# Altium PCB PCB2.PcbDoc
Units mm, origin at the board's own origin, x right, y up, seen from the top; angles counter-clockwise.
Board outline 160 x 120 mm, 2 copper layers (Top Layer, Bottom Layer); 122 components, 109 nets, 534 pads, 423 vias.
Unrouted connection lines stored in the file: 4.
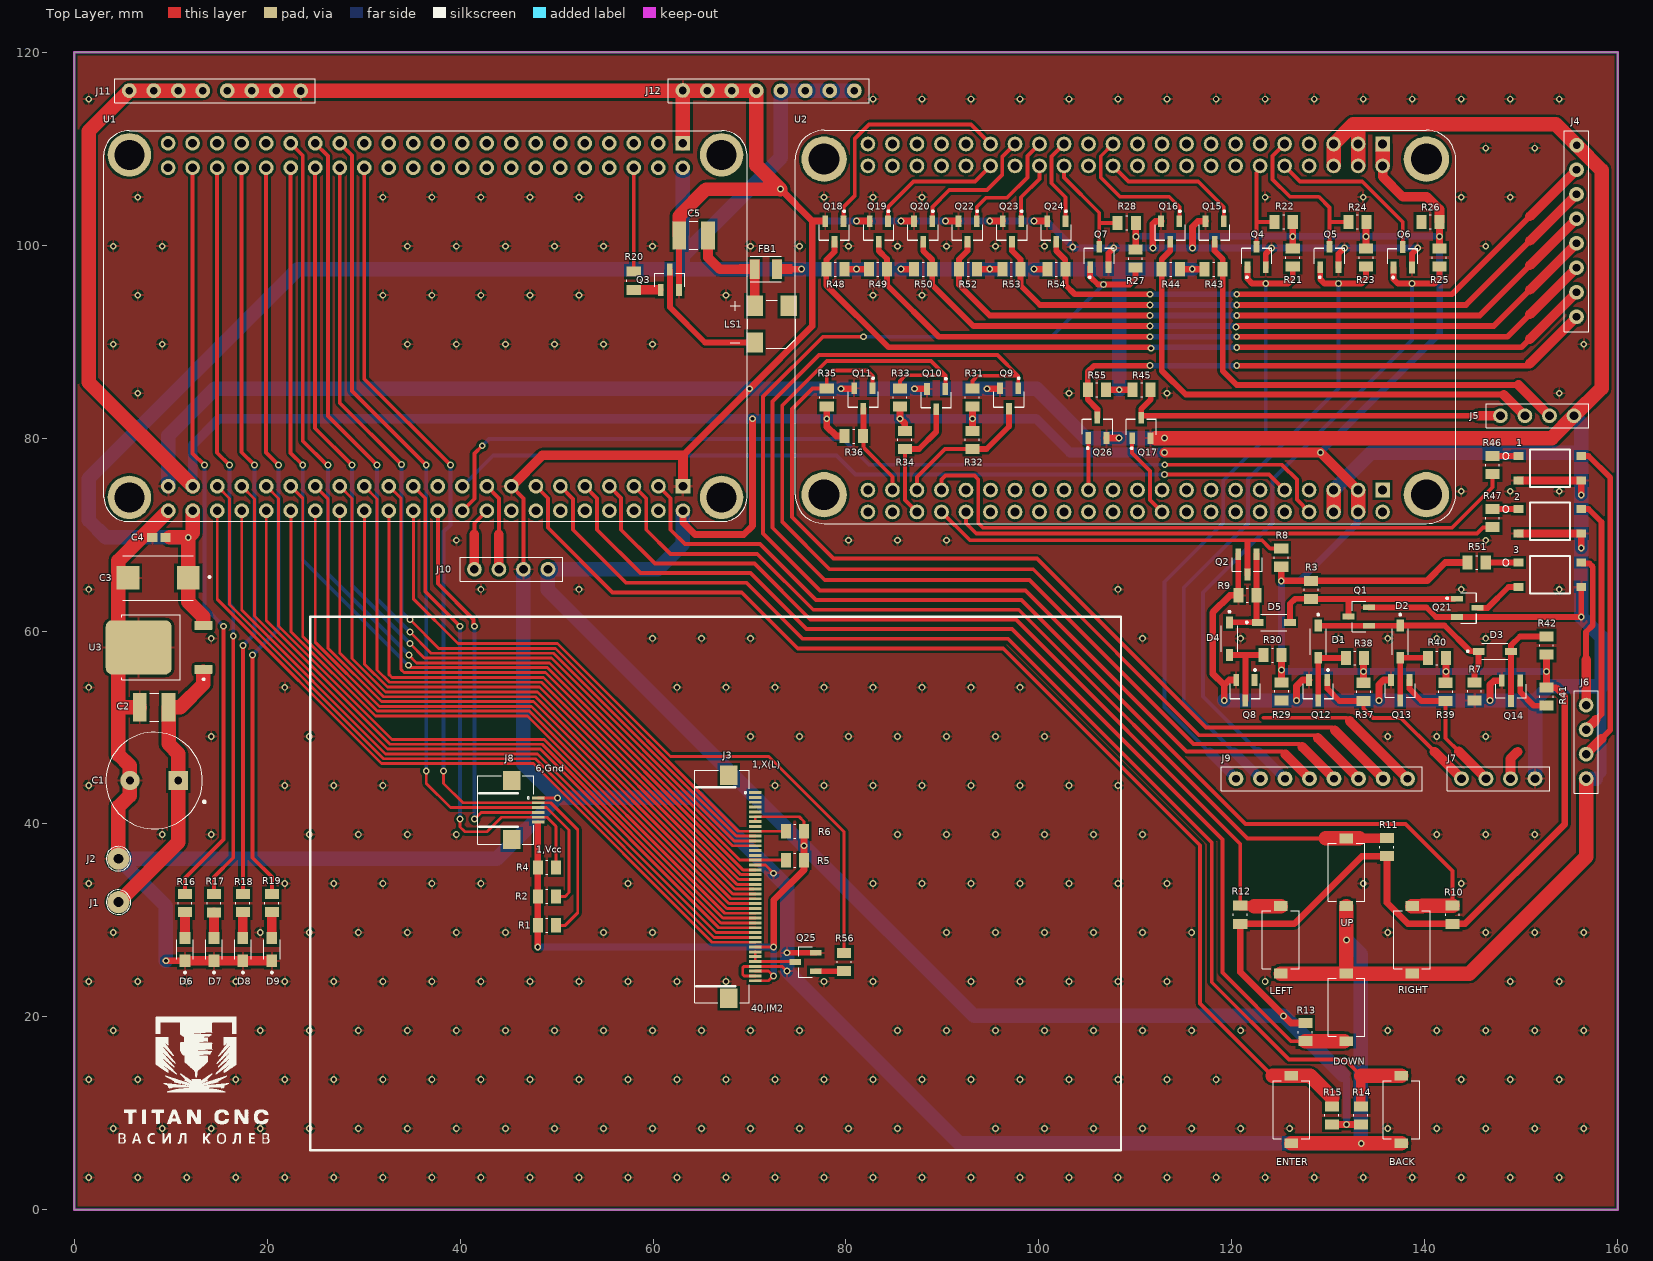
[diagram p0: Top Layer view]
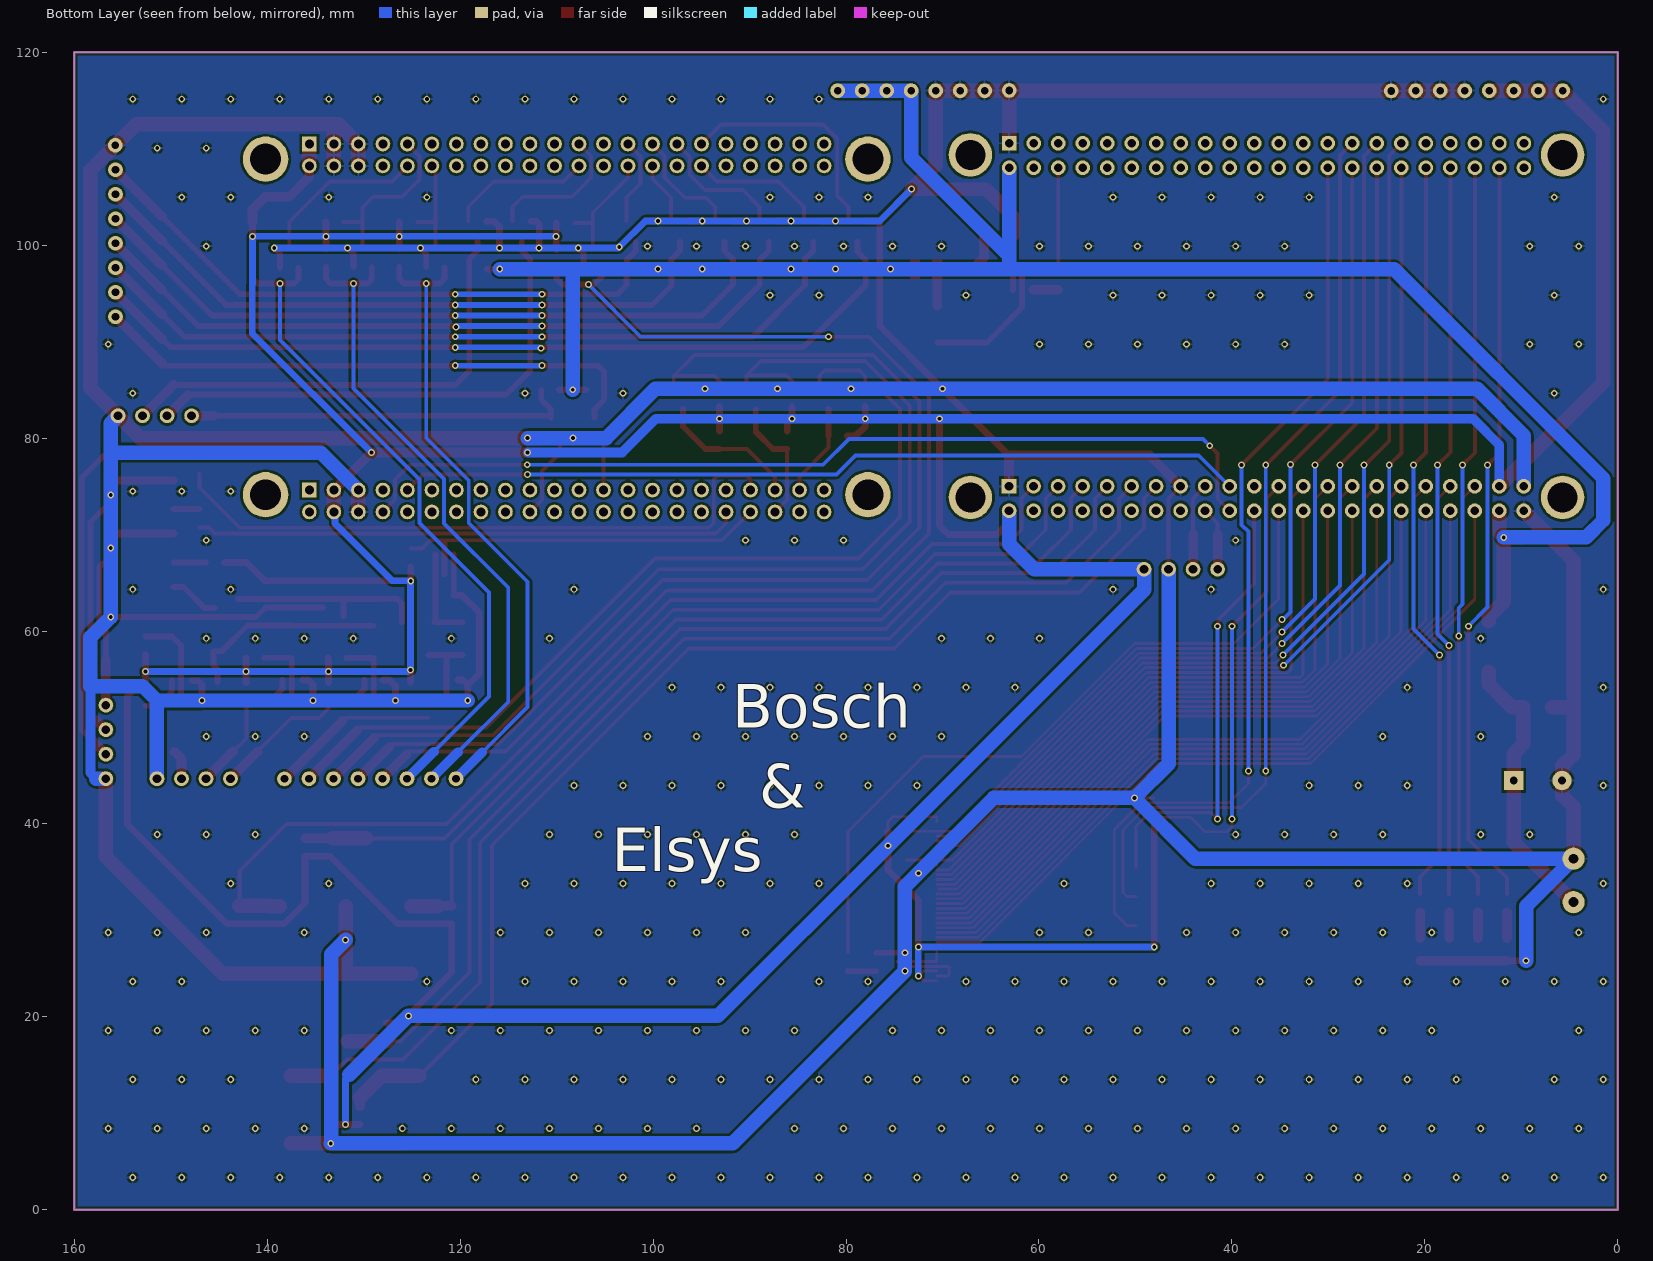
[diagram p1: Bottom Layer view, seen from below]
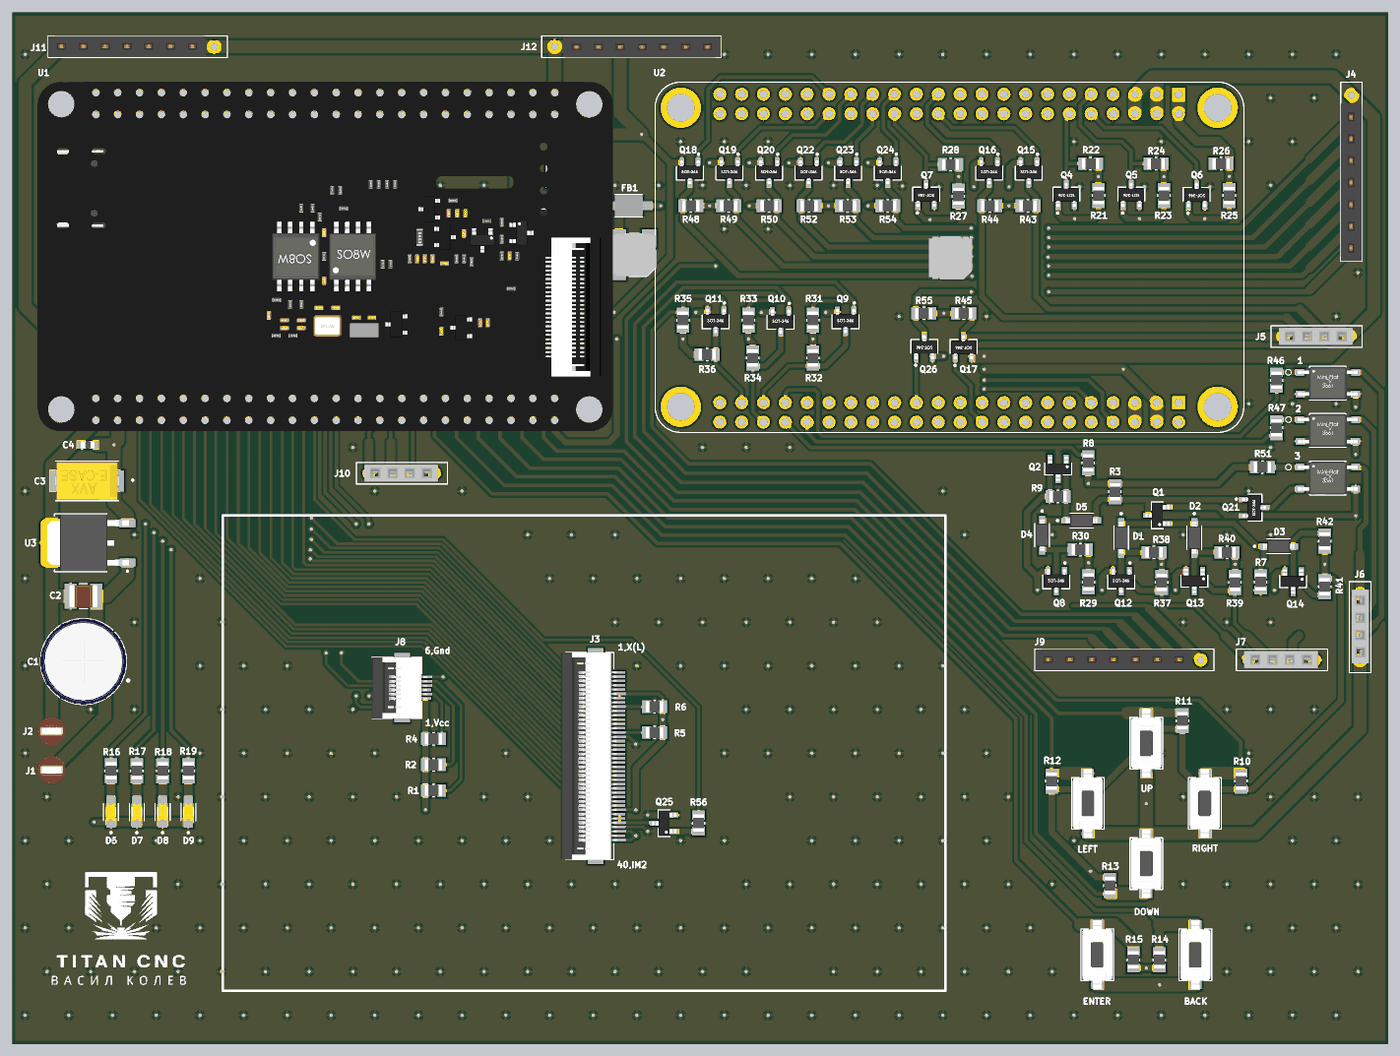
[diagram p2: 3D render of the assembled board from above, using the file's embedded part models]

## Layer stack, top to bottom
Top Solder: solder mask 0.0102, Solder Resist, Dk 3.5
Top Layer: signal copper 0.0356
Dielectric 1: dielectric 0.32, FR-4, Dk 4.8
Bottom Layer: signal copper 0.0356
Bottom Solder: solder mask 0.0102, Solder Resist, Dk 3.5

## Board outline
0,0 0,120 160,120 160,0

## Design rules (kind name [scope] priority, off if disabled: settings)
Clearance Clearance_1 [All] p1: gap=0.254 ignorepadtopadclearanceinfootprint=FALSE except(0: Arc-Hole Track-Hole SMDPad-Hole THPad-Hole Via-Hole Fill-Hole Poly-Hole Region-Hole Text-Hole; 0.1: Arc-SMDPad Track-SMDPad SMDPad-SMDPad; 0.2: Arc-Arc Arc-Track Track-Track)
PolygonConnect [All] p1: connectstyle=Relief reliefconductorwidth=0.254 reliefentries=4 polygonreliefangle="90 Angle" airgapwidth=0.254
RoutingVias [All] p1: holewidth=0.711 width=1.27 viastyle="Through Hole" minholewidth=0.711 minwidth=1.27 maxholewidth=0.711 maxwidth=1.27
SolderMaskExpansion [All] p1: expansion=0.102 istentingtop=FALSE
Width [All] p1: maxlimit=1.5 minlimit=0.2 preferedwidth=0.254 minimp=50.000000 maximp=50.000000 favimp=50.000000
30 further rules are at their usual default settings.

## Classes and differential pairs
component class Sheet5: 1 2 3 Q15 Q16 Q17 Q18 Q19 Q20 Q21 Q22 Q23 Q24 Q25 Q26 R43 R44 R45 R46 R47 R48 R49 R50 R51 R52 R53 R54 R55 R56
component class Sheet4: Q4 Q5 Q6 Q7 Q8 Q9 Q10 Q11 Q12 Q13 Q14 R21 R22 R23 R24 R25 R26 R27 R28 R29 R30 R31 R32 R33 R34 R35 R37 R38 R39 R40 R41 R42
component class Sheet3: BACK C5 D6 D7 D8 D9 DOWN ENTER FB1 LEFT LS1 Q3 R10 R11 R12 R13 R14 R15 R16 R17 R18 R19 R20 RIGHT UP
component class Sheet2: D1 D2 D3 D4 D5 J3 J4 J5 J6 J7 J8 J9 J10 J11 J12 Q1 Q2 R1 R2 R3 R4 R5 R6 R7 R8 R9
component class Sheet1: C1 C2 C3 C4 J1 J2 U1 U2 U3

## Components (designator, comment, footprint, x,y, rotation, side; value= is the part's Value field where it differs from the comment)
1 "LTV-356T" MINI-FLAT-4 152.95,76.87 r270 top
2 "LTV-356T" MINI-FLAT-4 152.95,71.37 r270 top
3 "LTV-356T" MINI-FLAT-4 152.95,65.83 r270 top
BACK "Button" SW_KSR221GLFS 137.558,10.4 r270 top (schematic designator SW5)
C1 "#NAME?" "CAP 10x16" 8.3,44.5 r180 top value=680μF
C2 "10uF 35V" *CAPC3326X230N 8.3,52.1 r0 top value=10uF
C3 "220uF" "SMD 7343-43" 8.72,65.5 r180 top
C4 "100nF" "SMD 0603" 8.8,69.7 r0 top
C5 "100uF" *CAPC3326X230N 64.2,101 r0 top
D1 "1N4148W-7-F" SOD123 128.94,58.9 r270 top
D2 "1N4148W-7-F" SOD123 137.44,58.9 r270 top
D3 "1N4148W-7-F" SOD123 147.24,57.9 r0 top
D4 "1N4148W-7-F" SOD123 119.74,59.2 r270 top
D5 "1N4148W-7-F" SOD123 124.34,60.9 r0 top
D6 "KP-2012 WHITE" "SMD 0805 LED-Y" 11.5,27 r90 top value=KP-2012
D7 "KP-2012 GREEN" "SMD 0805 LED-Y" 14.5,27 r90 top value=KP-2012
D8 "KP-2012 ORANGE" "SMD 0805 LED-Y" 17.5,27 r90 top value=KP-2012
D9 "KP-2012 RED" "SMD 0805 LED-Y" 20.5,27 r90 top value=KP-2012
DOWN "Button" SW_KSR221GLFS 131.858,21 r90 top (schematic designator SW4)
ENTER "Button" SW_KSR221GLFS 126.158,10.4 r270 top (schematic designator SW6)
FB1 "LQH32CN471K23L" "SMD 1210 LQH" 71.7,97.5 r180 top
J1 "+12V" Wire 4.6,31.9 r180 top
J2 "GND" Wire 4.6,36.4 r180 top
J3 "FPC-40PinConnector" 687140149022 70.6,33.5 r270 top
J4 "PN1X8" PN1X8 155.7,101.45 r90 top
J5 "PN1X4" PN1X4 151.63,82.3 r0 top
J6 "PN1X4" PN1X4 156.7,48.51 r270 top
J7 "PN1X4" PN1X4 147.6,44.7 r0 top
J8 "FPC-6PinConnector" 687106149022 48.1,41.45 r270 top
J9 "PN1X8" PN1X8 129.31,44.7 r0 top
J10 "PN1X4" PN1X4 45.3,66.4 r0 top
J11 "PN1X8" PN1X8 14.61,116 r0 top
J12 "PN1X8" PN1X8 71.978,116 r180 top
LEFT "Button" SW_KSR221GLFS 125.058,28 r270 top (schematic designator SW3)
LS1 "Buzzer" XDCR_KSSG13J12-N 72.3,91.8 r0 top
Q1 "SST2222A" SOT-23-3 133.14,61.5 r180 top
Q2 "SST2222A" SOT-23-3 121.6,66.9 r270 top
Q3 "SST2222A" SOT-23-3 61.75,96.4 r90 top
Q4 "DTC114YKA" "SOT-346 (SC59) Black" 122.55,98.76 r90 top
Q5 "DTC114YKA" "SOT-346 (SC59) Black" 130.1,98.76 r90 top
Q6 "DTC114YKA" "SOT-346 (SC59) Black" 137.7,98.74 r90 top
Q7 "DTC114YKA" "SOT-346 (SC59) Black" 106.25,98.76 r90 top
Q8 "DTC114YKA" "SOT-346 (SC59) Black" 121.39,53.86 r270 top
Q9 "DTC114YKA" "SOT-346 (SC59) Black" 96.9,84.1 r270 top
Q10 "DTC114YKA" "SOT-346 (SC59) Black" 89.35,84.04 r270 top
Q11 "DTC114YKA" "SOT-346 (SC59) Black" 81.8,84.1 r270 top
Q12 "DTC114YKA" "SOT-346 (SC59) Black" 128.94,53.86 r270 top
Q13 "SST2222A" SOT-23-3 137.44,53.86 r270 top
Q14 "SST2222A" SOT-23-3 148.92,53.8 r270 top
Q15 "DTC114YKA" "SOT-346 (SC59) Black" 118.2,101.4 r270 top
Q16 "DTC114YKA" "SOT-346 (SC59) Black" 113.6,101.4 r270 top
Q17 "DTC114YKA" "SOT-346 (SC59) Black" 110.6,81.04 r90 top
Q18 "DTC114YKA" "SOT-346 (SC59) Black" 78.8,101.4 r270 top
Q19 "DTC114YKA" "SOT-346 (SC59) Black" 83.4,101.4 r270 top
Q20 "DTC114YKA" "SOT-346 (SC59) Black" 88,101.4 r270 top
Q21 "DTC114YKA" "SOT-346 (SC59) Black" 144.4,62.4 r0 top
Q22 "DTC114YKA" "SOT-346 (SC59) Black" 92.6,101.4 r270 top
Q23 "DTC114YKA" "SOT-346 (SC59) Black" 97.2,101.4 r270 top
Q24 "DTC114YKA" "SOT-346 (SC59) Black" 101.8,101.4 r270 top
Q25 "SST2222A" SOT-23-3 75.8,25.7 r180 top
Q26 "DTC114YKA" "SOT-346 (SC59) Black" 106.05,81.06 r90 top
R1 "10k" "SMD 0805" 49,29.5 r0 top
R2 "10k" "SMD 0805" 49,32.5 r180 top
R3 "10k" "SMD 0805" 128.2,64.26 r270 top
R4 "10k" "SMD 0805" 49,35.5 r180 top
R5 "10k" "SMD 0805" 74.7,36.25 r180 top
R6 "10k" "SMD 0805" 74.7,39.25 r180 top
R7 "10k" "SMD 0805" 145.14,53.74 r270 top
R8 "10k" "SMD 0805" 125.1,67.6 r90 top
R9 "10k" "SMD 0805" 121.6,63.7 r180 top
R10 "10k" "SMD 0805" 142.858,30.6 r90 top
R11 "10k" "SMD 0805" 136.058,37.6 r90 top
R12 "10k" "SMD 0805" 120.858,30.6 r90 top
R13 "10k" "SMD 0805" 127.608,18.44 r270 top
R14 "10k" "SMD 0805" 133.358,9.8 r90 top
R15 "10k" "SMD 0805" 130.358,9.8 r90 top
R16 "220Ohm" "SMD 0805" 11.5,31.8 r270 top
R17 "220Ohm" "SMD 0805" 14.5,31.79 r270 top
R18 "220Ohm" "SMD 0805" 17.5,31.8 r270 top
R19 "220Ohm" "SMD 0805" 20.5,31.8 r270 top
R20 "2,7k" "SMD 0805" 58,96.3 r270 top
R21 "1k" "SMD 0805" 126.3,98.7 r270 top
R22 "10k" "SMD 0805" 125.36,102.4 r180 top
R23 "1k" "SMD 0805" 133.9,98.7 r270 top
R24 "10k" "SMD 0805" 133,102.4 r180 top
R25 "1k" "SMD 0805" 141.5,98.7 r270 top
R26 "10k" "SMD 0805" 140.56,102.4 r180 top
R27 "1k" "SMD 0805" 110,98.6 r270 top
R28 "10k" "SMD 0805" 109.1,102.3 r180 top
R29 "1k" "SMD 0805" 125.14,53.74 r270 top
R30 "10k" "SMD 0805" 124.2,57.5 r180 top
R31 "1k" "SMD 0805" 93.1,84.2 r90 top
R32 "10k" "SMD 0805" 93.1,79.8 r270 top
R33 "1k" "SMD 0805" 85.6,84.2 r90 top
R34 "10k" "SMD 0805" 86.1,79.8 r270 top
R35 "1k" "SMD 0805" 78,84.2 r90 top
R36 "10k" "SMD 0805" 80.8,80.2 r0 top
R37 "1k" "SMD 0805" 133.64,53.7 r270 top
R38 "10k" "SMD 0805" 132.74,57.2 r180 top
R39 "1k" "SMD 0805" 142.14,53.7 r270 top
R40 "10k" "SMD 0805" 141.24,57.2 r180 top
R41 "1k" "SMD 0805" 152.6,53.2 r270 top
R42 "10k" "SMD 0805" 152.6,58.5 r90 top
R43 "10k" "SMD 0805" 118.1,97.5 r0 top
R44 "10k" "SMD 0805" 113.66,97.5 r180 top
R45 "10k" "SMD 0805" 110.64,85 r0 top
R46 "10k" "SMD 0805" 147,77.2 r90 top
R47 "10k" "SMD 0805" 147,71.7 r90 top
R48 "10k" "SMD 0805" 78.9,97.5 r180 top
R49 "10k" "SMD 0805" 83.3,97.5 r0 top
R50 "10k" "SMD 0805" 88,97.5 r0 top
R51 "10k" "SMD 0805" 145.36,67.1 r0 top
R52 "10k" "SMD 0805" 92.66,97.5 r180 top
R53 "10k" "SMD 0805" 97.14,97.5 r0 top
R54 "10k" "SMD 0805" 101.8,97.5 r0 top
R55 "10k" "SMD 0805" 106,85 r180 top
R56 "10k" "SMD 0805" 79.8,25.7 r270 top
RIGHT "Button" SW_KSR221GLFS 138.658,28 r270 top (schematic designator SW1)
U1 "STM32H750VBT6 WeActStudio" "WeActStudio STM32H750VBT6" 35.448,91.454 r270 top
U2 "STM32F407VGT6 DevEBox" "DevEBox V3.0 STM32F407VGT6" 109.05,91.437 r270 top
U3 "BA05CC0WFP-E2" DPAK228P968X238-4N 8.82,58.3 r90 top
UP "Button" SW_KSR221GLFS 131.858,35 r270 top (schematic designator SW2)

## Footprints (in the part's own frame and the unit in brackets; to place one, negate y for a bottom-side part, rotate by r counter-clockwise, add the part's x,y. Pads: shape width x height; smd on the part's side, far side on the other; paste and mask are expansions set on the pad)
687106149022 [mm]
  rect 0.3x1.3 smd: 1(-1.25,0) 2(-0.75,0) 3(-0.25,0) 4(0.25,0) 5(0.75,0) 6(1.25,0)
  rect 2x1.8 smd: Z1(-3.05,-2.75) Z2(3.05,-2.75)
  silkscreen extent -3.55,-6.25 3.55,-0.45, body extent -3.55,-6.33 3.55,0.17, height 2.3
687140149022 [mm]
  rect 0.3x1.3 smd: 1(-9.75,0) 2(-9.25,0) 3(-8.75,0) 4(-8.25,0) 5(-7.75,0) 6(-7.25,0) 7(-6.75,0) 8(-6.25,0) 9(-5.75,0) 10(-5.25,0) 11(-4.75,0) 12(-4.25,0) 13(-3.75,0) 14(-3.25,0) 15(-2.75,0) 16(-2.25,0) 17(-1.75,0) 18(-1.25,0) 19(-0.75,0) 20(-0.25,0) 21(0.25,0) 22(0.75,0) 23(1.25,0) 24(1.75,0) 25(2.25,0) 26(2.75,0) 27(3.25,0) 28(3.75,0) 29(4.25,0) 30(4.75,0) 31(5.25,0) 32(5.75,0) 33(6.25,0) 34(6.75,0) 35(7.25,0) 36(7.75,0) 37(8.25,0) 38(8.75,0) 39(9.25,0) 40(9.75,0)
  rect 2x1.8 smd: Z1(-11.55,-2.75) Z2(11.55,-2.75)
  silkscreen extent -12.05,-6.27 12.05,-0.65, body extent -12.05,-6.8 12.05,-0.3, height 2.3
*CAPC3326X230N [mm]
  rect 1.42x2.91 smd: 1(-1.492,0) 2(1.492,0)
  silkscreen extent -0.46,-1.45 0.46,1.45, body extent -1.65,-1.3 1.65,1.3, height 2.4
"CAP 10x16" [mm]
  rect 2x2 hole 0.82: 1(-2.5,0)
  round 2 hole 0.82: 2(2.5,0)
  silkscreen extent -5.3,-5 5,5, body extent -5.03,-5.03 5.03,5.03, height 16.63
"DevEBox V3.0 STM32F407VGT6" [mil] "Development board with a STM32F407VGT6 MCU"
  rect 60x60 hole 36: 1(-749.57,1045.81) 45(662.52,1045.81)
  round 60 hole 36: 2(-660,1045.81) 3(-749.57,945.81) 4(-660,945.81) 5(-749.57,845.81) 6(-660,845.81) 7(-749.57,745.81) 8(-660,745.81) 9(-749.57,645.81) 10(-660,645.81) 11(-749.57,545.81) 12(-660,545.81) 13(-749.57,445.81) 14(-660,445.81) 15(-749.57,345.81) 16(-660,345.81) 17(-749.57,245.81) 18(-660,245.81) 19(-749.57,145.81) 20(-660,145.81) 21(-749.57,45.81) 22(-660,45.81) 23(-749.57,-54.19) 24(-660,-54.19) 25(-749.57,-154.19) 26(-660,-154.19) 27(-749.57,-254.19) 28(-660,-254.19) 29(-749.57,-354.19) 30(-660,-354.19) 31(-749.57,-454.19) 32(-660,-454.19) 33(-749.57,-554.19) 34(-660,-554.19) 35(-749.57,-654.19) 36(-660,-654.19) 37(-749.57,-754.19) 38(-660,-754.19) 39(-749.57,-854.19) 40(-660,-854.19) 41(-749.57,-954.19) 42(-660,-954.19) 43(-749.57,-1054.19) 44(-660,-1054.19) 46(751.89,1045.81) 47(662.52,945.81) 48(751.89,945.81) 49(662.52,845.81) 50(751.89,845.81) 51(662.52,745.81) 52(751.89,745.81) 53(662.52,645.81) 54(751.89,645.81) 55(662.52,545.81) 56(751.89,545.81) 57(662.52,445.81) 58(751.89,445.81) 59(662.52,345.81) 60(751.89,345.81) 61(662.52,245.81) 62(751.89,245.81) 63(662.52,145.81) 64(751.89,145.81) 65(662.52,45.81) 66(751.89,45.81) 67(662.52,-54.19) 68(751.89,-54.19) 69(662.52,-154.19) 70(751.89,-154.19) 71(662.52,-254.19) 72(751.89,-254.19) 73(662.52,-354.19) 74(751.89,-354.19) 75(662.52,-454.19) 76(751.89,-454.19) 77(662.52,-554.19) 78(751.89,-554.19) 79(662.52,-654.19) 80(751.89,-654.19) 81(662.52,-754.19) 82(751.89,-754.19) 83(662.52,-854.19) 84(751.89,-854.19) 85(662.52,-954.19) 86(751.89,-954.19) 87(662.52,-1054.19) 88(751.89,-1054.19)
  round 185.04 hole 125.98 unplated: ""(-687.52,1224.41) ""(-687.52,-1232.8) ""(681.61,1224.41) ""(681.61,-1232.8)
  silkscreen extent -805,-1350 799,1344, body extent -98,-96 98,100, height 512
DPAK228P968X238-4N [mm]
  rrect24% 0.96x1.9 smd: 1(-2.28,-4.59) 3(2.28,-4.59)
  rrect24% 5.63x6.84 smd paste-4: 2(0,2.12)
  silkscreen extent -3.4,-4.7 3.37,3.89, body extent -3.25,-4.75 3.25,4.75, height 2.5
MINI-FLAT-4 [mm]
  rect 0.8x1 smd: 1(-1.27,-3.25) 2(1.27,-3.25) 3(1.27,3.25) 4(-1.27,3.25)
  silkscreen extent -1.93,-4.91 1.93,2.08, body extent -1.92,-3.5 1.93,3.5, height 2.2
PN1X4 [mm]
  round 1.53 hole 0.9: 1(-3.81,0) 2(-1.27,0) 3(1.27,0) 4(3.81,0)
  silkscreen extent -5.28,-1.25 5.33,1.25, body extent -4.37,-0.97 4.22,1.02, height 5.75
PN1X8 [mm]
  round 1.53 hole 0.8: 1(-8.89,0) 2(-6.35,0) 3(-3.81,0) 4(-1.27,0) 5(1.27,0) 6(3.81,0) 7(6.35,0) 8(8.89,-0.025)
  silkscreen extent -10.41,-1.25 10.41,1.25, body extent -10.39,-1.22 7.89,1.28, height 8.75
"SMD 0603" [mm]
  rect 1.07x0.93 smd: 1(-0.68,0) 2(0.68,0)
  body extent -0.8,-0.4 0.8,0.4, height 0.6
"SMD 0805" [mm]
  rect 1.04x1.47 smd: 1(-0.94,0) 2(0.94,0)
  silkscreen extent -0.1,-0.72 0.1,0.72, body extent -1,-0.62 1,0.63, height 0.6
"SMD 0805 LED-Y" [mm]
  rect 1.25x1.1 smd: A(1.175,0) C(-1.175,0)
  silkscreen extent -2.5,-0.86 1,0.86, body extent -1,-0.62 1,0.63, height 1.1
"SMD 1210 LQH" [mm]
  rect 1x2 smd paste-2 mask+0: 1(-1.15,0) 2(1.15,0)
  Top Layer region: -0.65,-1 -1.65,-1 -1.65,-0.5 -2.75,-0.5 -2.75,0.5 -1.65,0.5 -1.65,1 -0.65,1
  Top Layer region: 1.65,0.5 2.75,0.5 2.75,-0.5 1.65,-0.5 1.65,-1 0.65,-1 0.65,1 1.65,1
  silkscreen extent -1.6,-1.31 1.6,1.31, body extent -1.6,-1.25 1.6,1.25, height 2.2
"SMD 7343-43" [mm]
  rect 2.37x2.43 smd: 1(-3.12,0) 2(3.12,0)
  silkscreen extent -5.41,-2.3 3.65,2.3, body extent -3.7,-2.22 3.7,2.23, height 4.3
SOD123 [mm]
  rect 1.21x0.73 smd: A(1.68,0) C(-1.68,0)
  silkscreen extent -2.9,-0.85 1.35,0.85, body extent -1.82,-0.77 1.83,0.78, height 1.6
SOT-23-3 [mm]
  rect 1.23x0.59 smd: 1(-1.06,0.95) 2(-1.06,-0.95) 3(1.06,0)
  silkscreen extent -0.7,-1.56 0.7,1.56, body extent -1.4,-1.45 1.4,1.45, height 1.4
"SOT-346 (SC59) Black" [mm]
  rect 1.23x0.59 smd: 1(-1.06,0.95) 2(-1.06,-0.95) 3(1.06,0)
  silkscreen extent -2.2,-1.58 0.9,1.56, body extent -1.4,-1.45 1.4,1.45, height 1.3
SW_KSR221GLFS [mm]
  rect 1x1.4 smd: 1(-3.5,0) 2(3.5,0)
  silkscreen extent -3,-1.9 3,1.9, body extent -4,-1.75 4,1.75, height 4.3
"WeActStudio STM32H750VBT6" [mil] "Development board with a STM32H750VBT6 MCU"
  rect 60x60 hole 36: 1(-751.81,1088.19) 45(647.8,1088.66)
  round 60 hole 36: 2(-651.81,1088.19) 3(-751.81,988.19) 4(-651.81,988.19) 5(-751.81,888.19) 6(-651.81,888.19) 7(-751.81,788.19) 8(-651.81,788.19) 9(-751.81,688.19) 10(-651.81,688.19) 11(-751.81,588.19) 12(-651.81,588.19) 13(-751.81,488.19) 14(-651.81,488.19) 15(-751.81,388.19) 16(-651.81,388.19) 17(-751.81,288.19) 18(-651.81,288.19) 19(-751.81,188.19) 20(-651.81,188.19) 21(-751.81,88.19) 22(-651.81,88.19) 23(-751.81,-11.81) 24(-651.81,-11.81) 25(-751.81,-111.81) 26(-651.81,-111.81) 27(-751.81,-211.81) 28(-651.81,-211.81) 29(-751.81,-311.81) 30(-651.81,-311.81) 31(-751.81,-411.81) 32(-651.81,-411.81) 33(-751.81,-511.81) 34(-651.81,-511.81) 35(-751.81,-611.81) 36(-651.81,-611.81) 37(-751.81,-711.81) 38(-651.81,-711.81) 39(-751.81,-811.81) 40(-651.81,-811.81) 41(-751.81,-911.81) 42(-651.81,-911.81) 43(-751.81,-1011.81) 44(-651.81,-1011.81) 46(747.8,1088.66) 47(647.8,988.66) 48(747.8,988.66) 49(647.8,888.66) 50(747.8,888.66) 51(647.8,788.66) 52(747.8,788.66) 53(647.8,688.66) 54(747.8,688.66) 55(647.8,588.66) 56(747.8,588.66) 57(647.8,488.66) 58(747.8,488.66) 59(647.8,388.66) 60(747.8,388.66) 61(647.8,288.66) 62(747.8,288.66) 63(647.8,188.66) 64(747.8,188.66) 65(647.8,88.66) 66(747.8,88.66) 67(647.8,-11.34) 68(747.8,-11.34) 69(647.8,-111.34) 70(747.8,-111.34) 71(647.8,-211.34) 72(747.8,-211.34) 73(647.8,-311.34) 74(747.8,-311.34) 75(647.8,-411.34) 76(747.8,-411.34) 77(647.8,-511.34) 78(747.8,-511.34) 79(647.8,-611.34) 80(747.8,-611.34) 81(647.8,-711.34) 82(747.8,-711.34) 83(647.8,-811.34) 84(747.8,-811.34) 85(647.8,-911.34) 86(747.8,-911.34) 87(647.8,-1011.34) 88(747.8,-1011.34)
  round 177.17 hole 122.05 unplated: ""(-704.57,1246.46) ""(-704.57,-1170.08) ""(693.31,1246.46) ""(693.31,-1170.08)
  silkscreen extent -802,-1274 791,1350, body extent -806,-1279 794,1355, height 541
Wire [mm]
  round 2.3 hole 1.02: 1(0,0)
  silkscreen extent -1.27,-1.27 1.27,1.27, body extent -1.59,-1.59 1.59,1.59, height 5.69
XDCR_KSSG13J12-N [mm]
  rect 1.7x2.1 smd: N(-1.75,-1.9) NC(1.75,1.9) P(-1.75,1.9)
  silkscreen extent -4.32,-2.5 2.5,2.5, body extent -2.5,-2.5 2.5,2.5, height 3

## Part data
1 2 3: "Optoisolator Transistor Output 3750Vrms 1 Channel 4-SOP", Package="SOP-4 Lite-On Inc.", Availability=Unavailable, MF="Lite-On Inc.", MP=LTV-356T, Price=None, SnapEDA_Link=https://www.snapeda.com/parts/LTV-356T/Lite-On%20Inc./view-part/448527/?ref=snap
BACK DOWN ENTER LEFT RIGHT UP: library part KSR221GLFS, "Tactile Switch 2p SPST-NO 50mA/32V 6x3.8x2.5mm", Package=6x3.8x2.5mm, MF=C&K, MP=KSR221GLFS, URL=https://store.comet.bg/Catalogue/Product/17512/
C1: library part "CAP Aluminium", Case=ТМ1V221M-RBF16, Manufacturer=FUJICON, Package=8x16x3.5, Temperature=-55...+105°C, Voltage=25V, HelpURL=https://store.comet.bg/Catalogue/Product/6157/, Tipe="Low ESR"
C2: library part CL32B106KLJNNNE, "C1210 10uF 35V X7R", Case="SMD 1210", Manufacturer="SAMSUNG ELECTRO-MECHANICS", Voltage=35V, HelpURL=https://store.comet.bg/Catalogue/Product/36844/, Model=CL32B106KLJNNNE
C3: library part "Cap Tant 220uF 10V Case E", "Cap Tant Solid 220uF 10V E CASE 10% _7.3 X 4.3 X 4mm_ SMD 7343-43 0.1 Ohm 125В°C T/R", Manufacturer=VISHAY, Package="SMD 7343-43   7.3 x 4.3 x 4", Voltage=10V, HalpURL=https://store.comet.bg/Catalogue/Product/15617/, Model=593D227X9010E2TE3
C4 C5: library part CL32B106KLJNNNE, "C1210 10uF 35V X7R", Case="SMD 1210", Manufacturer="SAMSUNG ELECTRO-MECHANICS", HelpURL=https://store.comet.bg/Catalogue/Product/36844/, Model=CL32B106KLJNNNE
D1 D2 D3 D4 D5: "Diode Standard 100V 300mA _DC_ Surface Mount SOD-123", Case="SOD-123 Diodes Inc.", HelpURL=https://store.comet.bg/Catalogue/Product/9613/, MF="DIODES / ZETEX", Model=1N4148W-7-F
D6 D7 D8 D9: library part KP-2012, "LED 2.0x1.25mm, 50-160 mcd@20mA, W.Clear, 120°", Package="0805 Rohm Semiconductor", Availability=Unavailable, MF="Rohm Semiconductor", MP=SMLMN2WB1CW1C, Price=None, SnapEDA_Link=https://www.snapeda.com/parts/SMLMN2WB1CW1C/Rohm/view-part/3217279/?ref=snap
FB1: "470uH 19Ohm 60mA 10%    47uH 1.3Ohm 170mA 10%", Package=1210, MF="MURATA ELECTRONICS", MP=LQH32CN471K, URL 47uH=https://store.comet.bg/Catalogue/Product/48001/, URL 470uH=https://store.comet.bg/Catalogue/Product/48004/
J1 J2: library part Wire, "Wire"
J3: "40 Position FFC, FPC Connector Contacts, Bottom 0.020 (0.50mm) Surface Mount, Right Angle", Package=None, Availability="In Stock", Check_prices=https://www.snapeda.com/parts/687140149022/Wurth+Electronics+Inc./view-part/?ref=eda, MF="Wurth Electronics", MP=687140149022, Price=None, Purchase-URL=https://pricing.snapeda.com/search/part/687140149022/?ref=eda, SnapEDA_Link=https://www.snapeda.com/parts/687140149022/Wurth+Electronics+Inc./view-part/?ref=snap
J4 J9 J11 J12: "Single Row / Straight / Without Shroud Female header Female 8", Package=None, Availability=Unavailable, MF="WÃ¼rth Elektronik", MP=61300711821, Price=None, SnapEDA_Link=https://www.snapeda.com/parts/61300711821/W%C3%BCrth%20Elektronik/view-part/2704590/?ref=snap
J5 J6 J7 J10: "Single Row / Straight / Without Shroud Female header Female 4 @ Pin header, socket _Si...", Package=None, Availability=Unavailable, MF="WÃ¼rth Elektronik", MP=61300711821, Price=None, SnapEDA_Link=https://www.snapeda.com/parts/61300711821/W%C3%BCrth%20Elektronik/view-part/2704590/?ref=snap
J8: "6 Position FFC, FPC Connector Contacts, Bottom 0.020 (0.50mm) Surface Mount, Right Angle", Package=None, Availability="In Stock", Check_prices=https://www.snapeda.com/parts/687106149022/Wurth+Elektronik/view-part/?ref=eda, MF="WÃ¼rth Elektronik", MP=687106149022, Price=None, Purchase-URL=https://pricing.snapeda.com/search/part/687106149022/?ref=eda, SnapEDA_Link=https://www.snapeda.com/parts/687106149022/Wurth+Elektronik/view-part/?ref=snap
LS1: library part KSSG13J12-N, Package=None, Availability=Unavailable, MP=KSSG13J12-N, Price=None
Q1 Q2 Q3 Q13 Q14 Q25: "Transistor NPN 40V 600mA 300MHz 350mW", Case="SOT-23-3 SST3", Manufacturer="ROHM Semiconductor", HelpURL=https://store.comet.bg/Catalogue/Product/23715/
Q4 Q5 Q6 Q7 Q8 Q9 Q10 Q11 Q12 Q15 Q16 Q17 Q18 Q19 Q20 Q21 Q22 Q23 Q24 Q26: "NPN Digital 50V 100mA 200mW  R1=10kOm R2=47kOm", Case="SOT-346 (SC59)", Manufacturer="ROHM Semiconductor", HalpURL=https://store.comet.bg/Catalogue/Product/23715/
R1 R2 R3 R4 R5 R6 R7 R8 R9 R10 R11 R12 R13 R14 R15 R16 R17 R18 R19 R20 R21 R22 R23 R24 R25 R26 R27 R28 R29 R30 R31 R32 R33 R34 R35 R36 R37 R38 R39 R40 R41 R42 R43 R44 R45 R46 R47 R48 R49 R50 R51 R52 R53 R54 R55 R56: library part Resistor_1, "RES", HelpURL=https://store.comet.bg/Catalogue/RES/Resistors/#eyJpcHAiOiIxMDAiLCJtIjoiIn0%3D
U3: library part BA05CC0FP-E2, "LDO Regulator", Case=TO252-5-11, Manufacturer="ROHM Semiconductor", HelpURL=https://store.comet.bg/Catalogue/Product/4871/, Model=BA05CC0WFP-E2

## Via types
v1: diameter 0.7, hole 0.4, Top Layer to Bottom Layer, tented both sides, 313 vias
v2: diameter 0.711, hole 0.4, Top Layer to Bottom Layer, tented both sides, 110 vias
